# Altium PCB Control Levitador2.PcbDoc
Units mm, origin at the board's own origin, x right, y up, seen from the top; angles counter-clockwise.
Board outline 99.57 x 108.97 mm, 2 copper layers (Top Layer, Bottom Layer); 138 components, 76 nets, 369 pads, 201 vias.
Unrouted connection lines stored in the file: 3.
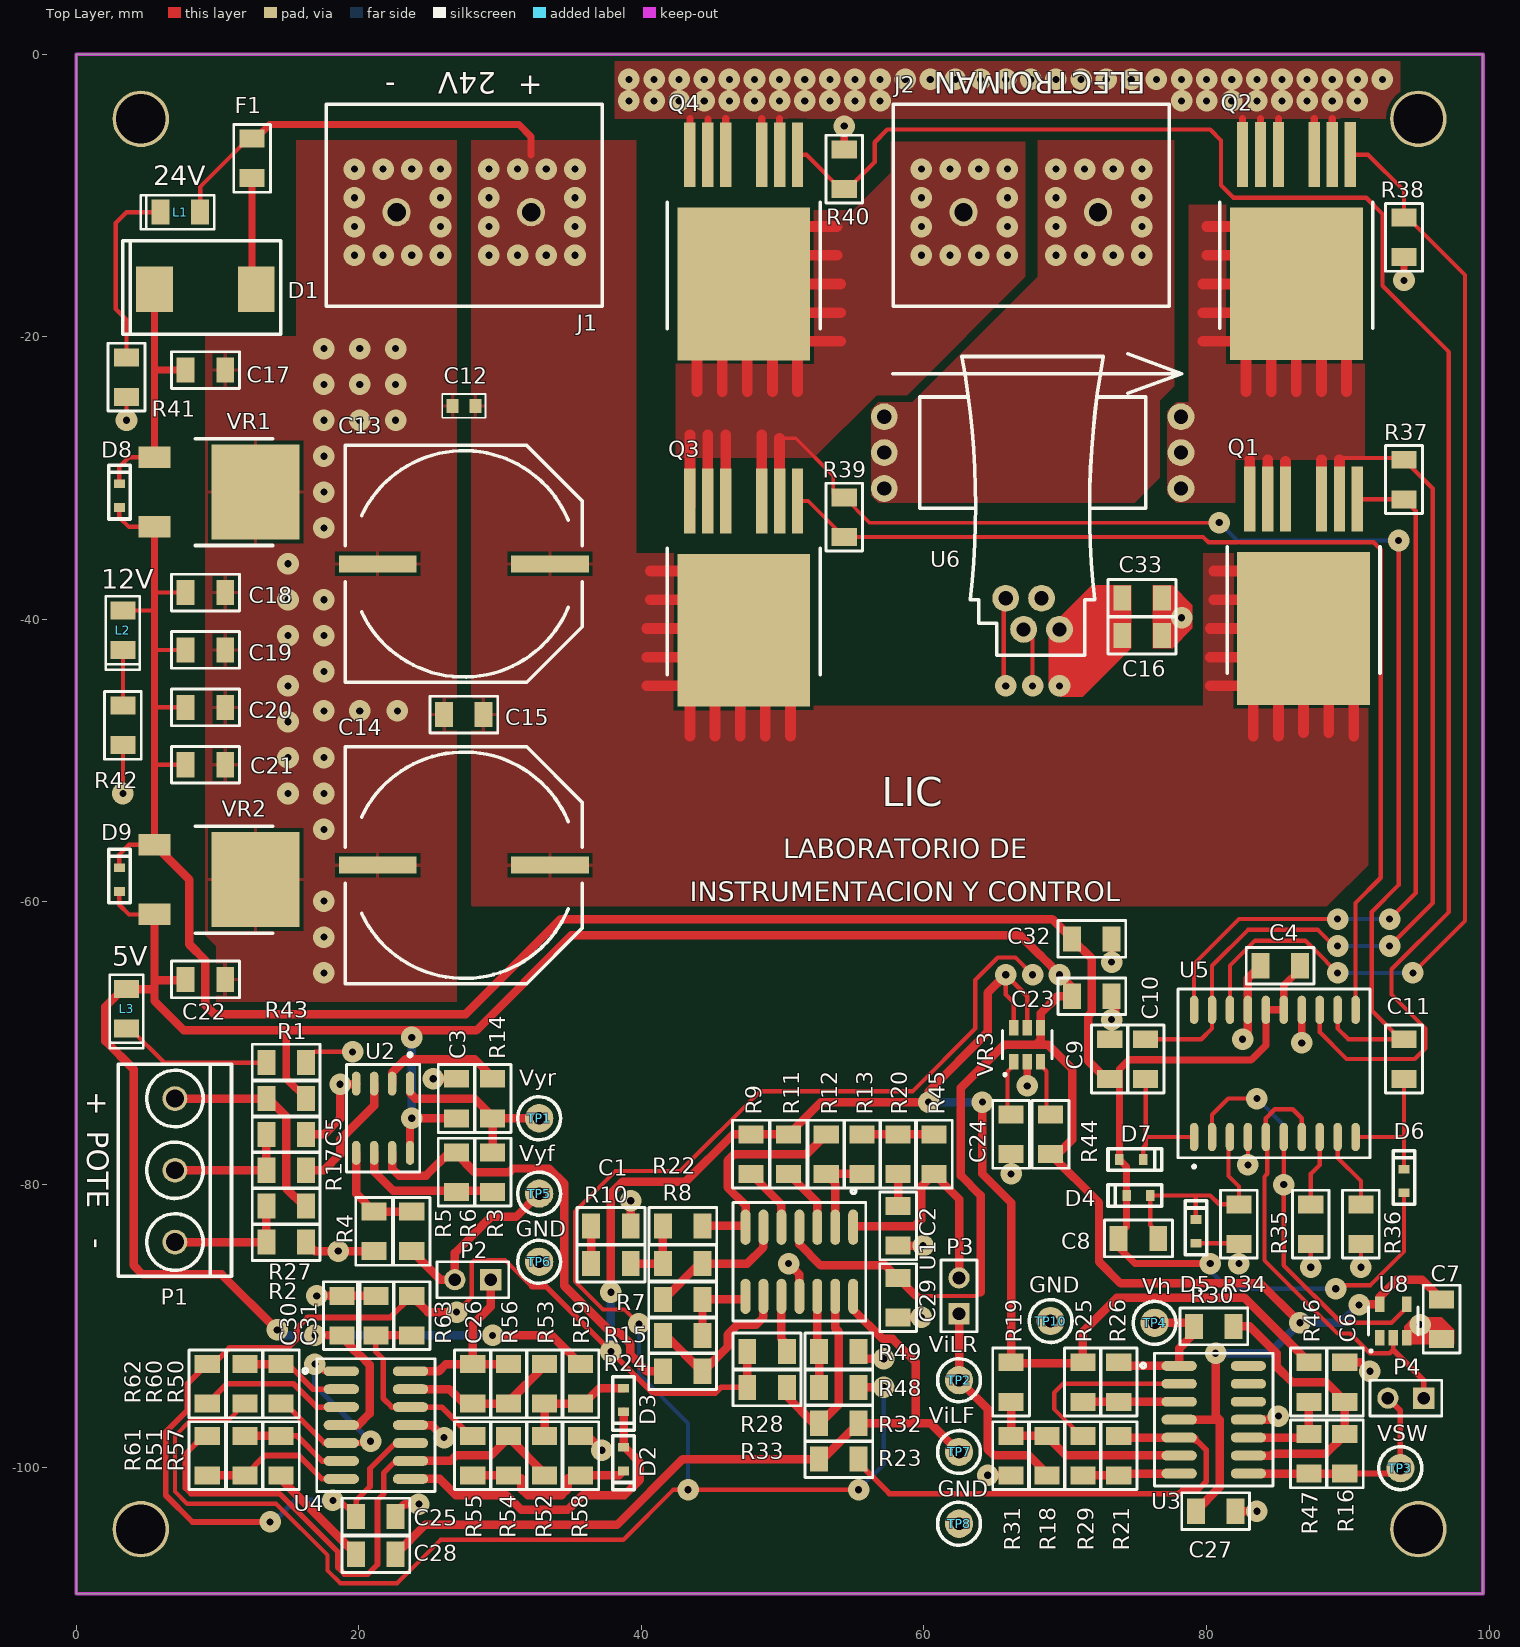
[diagram p0: Top Layer view]
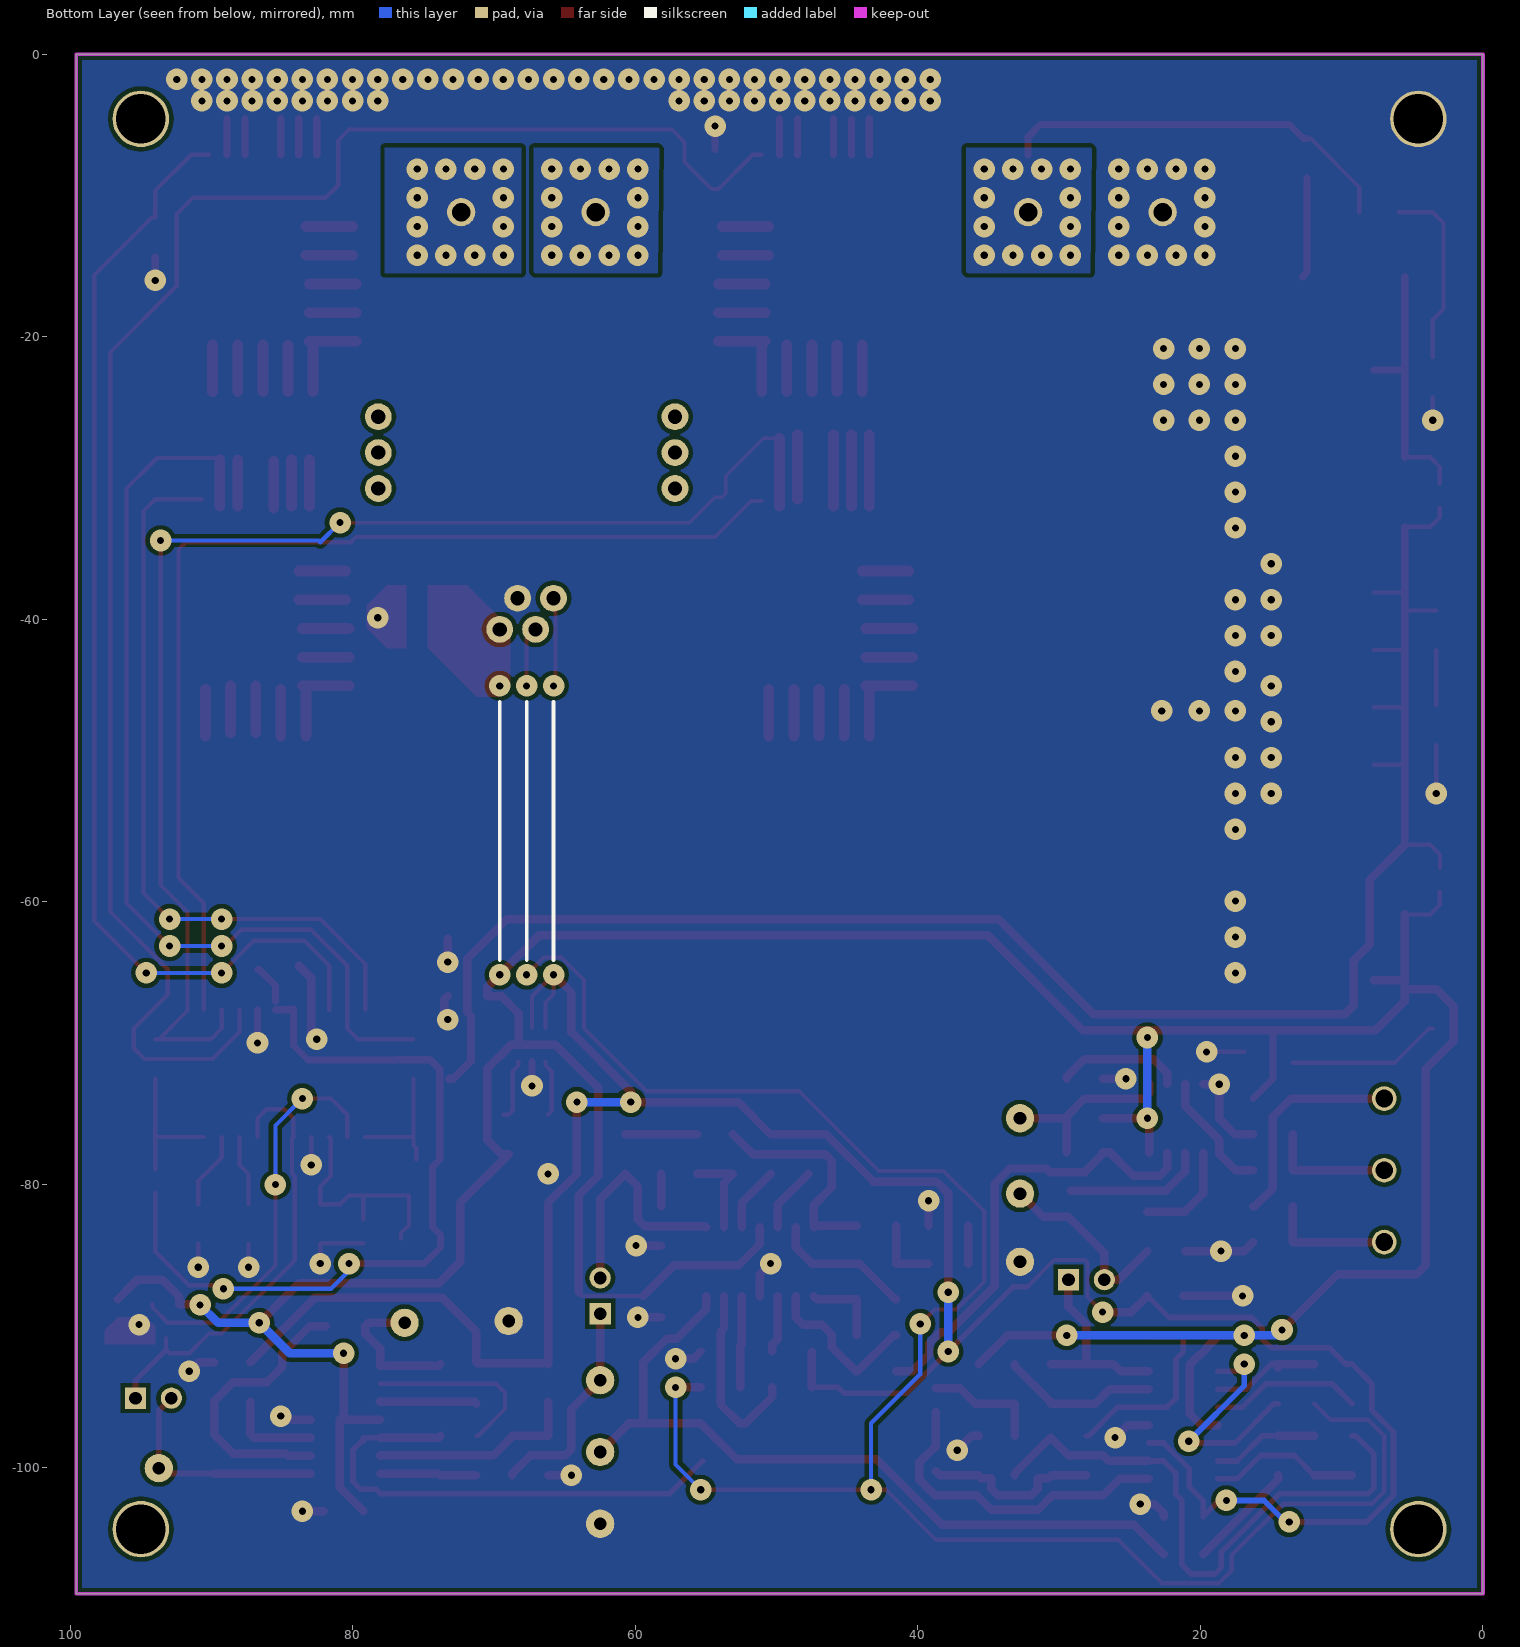
[diagram p1: Bottom Layer view, seen from below]
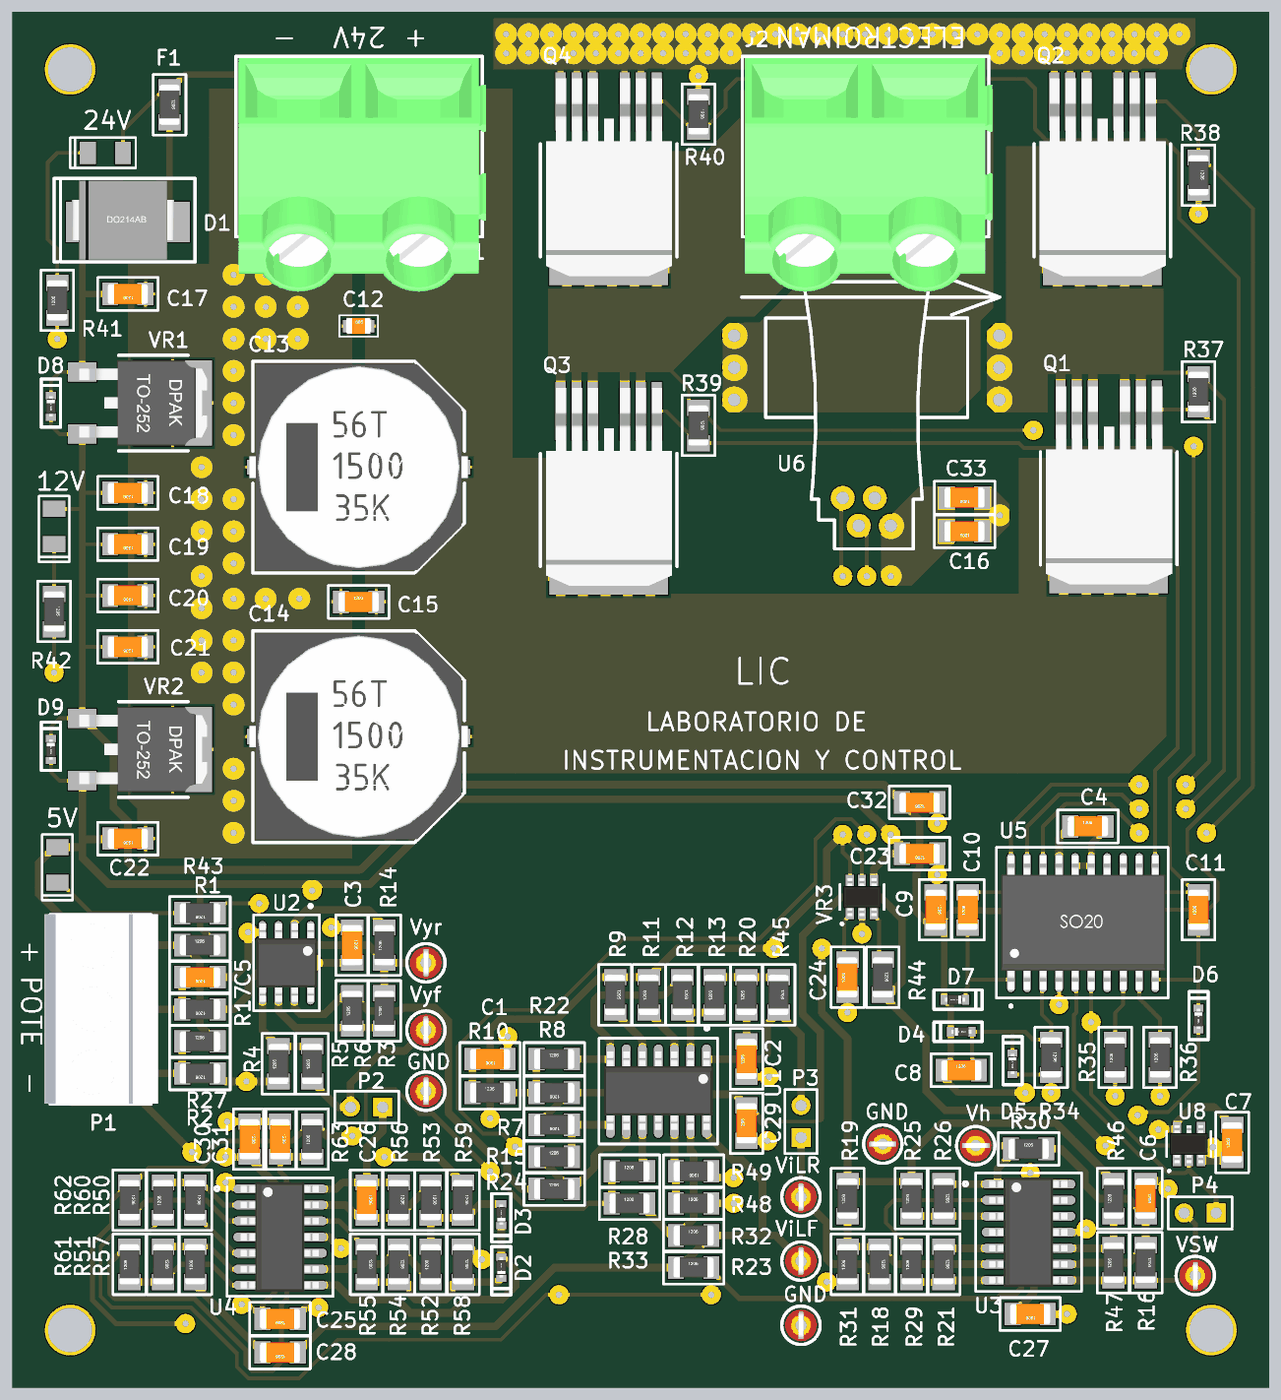
[diagram p2: 3D render of the assembled board from above, using the file's embedded part models]

## Layer stack, top to bottom
Top Solder: solder mask 0.0102, Solder Resist, Dk 3.5
Top Layer: signal copper 0.0356
Dielectric1: dielectric 0.32, FR-4, Dk 4.8
Bottom Layer: signal copper 0.0356
Bottom Solder: solder mask 0.0102, Solder Resist, Dk 3.5

## Board outline
0,-108.966 99.568,-108.966 99.568,0 0,0

## Design rules (kind name [scope] priority, off if disabled: settings)
Clearance [All] p1: gap=0.3 ignorepadtopadclearanceinfootprint=FALSE except(0: Arc-Hole Track-Hole SMDPad-Hole THPad-Hole Via-Hole Fill-Hole Poly-Hole Region-Hole Text-Hole)
MinimumSolderMaskSliver [All] p1: minsoldermaskwidth=0.203
PlaneConnect [All] p1: pad.planeconnectstyle=Relief pad.reliefexpansion=0.508 pad.reliefentries=4 pad.reliefconductorwidth=0.254 pad.reliefairgap=0.254 via.planeconnectstyle=Direct via.reliefexpansion=0.508 via.reliefentries=4 via.reliefconductorwidth=0.254 via.reliefairgap=0.254
PolygonConnect [All] p1: thpad.connectstyle=Direct thpad.reliefconductorwidth=0.254 thpad.reliefentries=4 thpad.polygonreliefangle="90 Angle" thpad.airgapwidth=0.254 smdpad.connectstyle=Relief smdpad.reliefconductorwidth=0.254 smdpad.reliefentries=4 smdpad.polygonreliefangle="90 Angle" smdpad.airgapwidth=0.254 via.connectstyle=Direct via.reliefconductorwidth=0.254 via.reliefentries=4 via.polygonreliefangle="90 Angle" via.airgapwidth=0.254
RoomDefinition "Control Levitador" [InComponentClass('Control Levitador')] p1: confinementstyle=ConfineOut formatcopy=TRUE lockcomponents=FALSE outline 100.711,-107.569 131.191,-107.569 131.191,-101.727 100.711,-101.727
RoutingVias [All] p1: holewidth=0.508 width=0.762 viastyle="Through Hole" minholewidth=0.508 minwidth=0.762 maxholewidth=0.711 maxwidth=1.6
SilkToSilkClearance [All] p1: silktosilkclearance=0.152
SilkToSolderMaskClearance [IsPad] p1: minsilkscreentomaskgap=0.203 clearancetoexposedcopper=TRUE
SolderMaskExpansion [All] p1: expansion=0.102
Width Width_1 [InNetClass('High Current')] p1: maxlimit=15.24 minlimit=10.16 preferedwidth=12.7 minimp=50.000000 maximp=50.000000 favimp=50.000000
Width [All] p2: maxlimit=1.27 minlimit=0.254 preferedwidth=0.254 minimp=50.000000 maximp=50.000000 favimp=50.000000
26 further rules are at their usual default settings.

## Components (designator, comment, footprint, x,y, rotation, side; value= is the part's Value field where it differs from the comment)
C1 "1u" C1206 37.846,-82.931 r180 top
C2 "470n" C1206 58.166,-82.931 r90 top
C3 "100nF" C1206 26.924,-73.914 r270 top
C4 "100nF" C1206 85.217,-64.516 r0 top
C5 "10uF" C1206 14.859,-76.454 r180 top
C6 "2.2n" C1206 89.789,-93.98 r270 top
C7 "100nF" C1206 96.647,-89.535 r90 top
C8 "10uF" C1206 75.184,-83.82 r0 top
C9 "1uF" C1206 73.152,-71.12 r270 top
C10 "10uF" C1206 75.692,-71.12 r90 top
C11 "10uF" C1206 93.98,-71.12 r90 top
C12 "22uF" C0805 27.432,-24.892 r0 top
C13 "Cap Pol1" "ALU CASE P" 27.432,-36.068 r0 top value=1000uF
C14 "Cap Pol1" "ALU CASE P" 27.432,-57.401 r0 top value=1000uF
C15 "220nF" C1206 27.432,-46.736 r0 top
C16 "100nF" C1206 75.438,-41.148 r180 top
C17 "1uF" C1206 9.144,-22.352 r180 top
C18 "22uF" C1206 9.144,-38.1 r180 top
C19 "22uF" C1206 9.144,-42.164 r180 top
C20 "22uF" C1206 9.144,-46.228 r180 top
C21 "220nF" C1206 9.144,-50.292 r180 top
C22 "47uF" C1206 9.144,-65.482 r180 top
C23 "100nF" C1206 71.882,-66.675 r180 top
C24 "100nF" C1206 66.167,-76.454 r90 top
C25 "100nF" C1206 21.209,-103.505 r180 top
C26 "1n" C1206 28.067,-94.107 r270 top
C27 "100nF" C1206 80.642,-103.124 r180 top
C28 "1u" C1206 21.209,-106.172 r180 top
C29 "100nF" C1206 58.166,-88.011 r90 top
C30 "100nF" C1206 18.796,-89.281 r270 top
C31 "1n" C1206 21.209,-89.281 r270 top
C32 "22uF" C1206 71.882,-62.611 r180 top
C33 "10uF" C1206 75.438,-38.481 r180 top
D1 "MRBS340" DO214AB 9.144,-16.637 r180 top
D2 "BAT54WX" SOD523 38.735,-99.441 r270 top
D3 "BAT54WX" SOD523 38.735,-95.25 r270 top
D4 "BAT54WX" SOD523 75.184,-80.772 r180 top
D5 "BAT54WX" SOD523 79.248,-83.312 r90 top
D6 "BAT54WX" SOD523 93.98,-79.756 r90 top
D7 "BAT54WX" SOD523 74.676,-78.232 r0 top
D8 "BAT54WX" SOD523 3.048,-31.242 r90 top
D9 "BAT54WX" SOD523 3.048,-58.42 r90 top
F1 "Fuse 1" R1206 12.446,-7.366 r270 top
J1 "Header 2" SMKDS5-2-9.5 27.432,-11.176 r180 top
J2 "Header 2" SMKDS5-2-9.5 67.564,-11.176 r180 top
L1 "LED1" "LED 1206 RED" 7.366,-11.176 r180 top
L2 "LED1" "LED 1206 RED" 3.302,-40.767 r270 top
L3 "LED1" "LED 1206 RED" 3.556,-67.564 r270 top
P1 "RPot" BOR3 6.985,-78.994 r270 top value=1k
P2 "Header 2" HDR1X2 29.337,-86.741 r180 top
P3 "Header 2" HDR1X2 62.484,-89.154 r90 top
P4 "Header 2" HDR1X2 95.377,-95.123 r180 top
Q1 "IPB160N04" TO263-7S 86.868,-40.646 r180 top
Q2 "IPB160N04" TO263-7S 86.36,-16.256 r180 top
Q3 "IPB160N04" TO263-7S 47.244,-40.773 r180 top
Q4 "IPB160N04" TO263-7S 47.244,-16.262 r180 top
R1 "1.15k" R1206 14.859,-73.914 r0 top
R2 "3.09k" R1206 14.859,-84.074 r180 top
R3 "2k" R1206 29.464,-79.121 r90 top
R4 "56.2k" R1206 21.082,-83.312 r90 top
R5 "2k" R1206 23.749,-83.312 r90 top
R6 "56.2k" R1206 26.924,-79.121 r90 top
R7 "140k" R1206 42.926,-88.138 r180 top
R8 "140k" R1206 42.926,-85.598 r180 top
R9 "68k" R1206 47.752,-77.851 r270 top
R10 "40.2" R1206 37.846,-85.598 r0 top
R11 "68k" R1206 50.419,-77.851 r90 top
R12 "140k" R1206 53.086,-77.851 r270 top
R13 "140k" R1206 55.626,-77.851 r90 top
R14 "2k" R1206 29.464,-73.914 r90 top
R15 "56.2k" R1206 42.926,-90.678 r0 top
R16 "10k" R1206 89.789,-99.06 r270 top
R17 "2k" R1206 14.859,-78.994 r180 top
R18 "8.25k" R1206 68.707,-99.187 r270 top
R19 "2.49k" R1206 66.167,-93.98 r90 top
R20 "143" R1206 58.166,-77.851 r90 top
R21 "8.25k" R1206 73.787,-99.187 r270 top
R22 "14k" R1206 42.929,-82.931 r0 top
R23 "8.25k" R1206 53.975,-99.441 r0 top
R24 "2k" R1206 42.926,-93.218 r0 top
R25 "510" R1206 71.247,-93.98 r90 top
R26 "100k" R1206 73.787,-93.98 r270 top
R27 "3.16k" R1206 14.859,-81.534 r0 top
R28 "2k" R1206 48.895,-91.821 r0 top
R29 "1k" R1206 71.247,-99.187 r90 top
R30 "15k" R1206 80.521,-90.043 r0 top
R31 "3.56k" R1206 66.167,-99.187 r90 top
R32 "3.56k" R1206 53.975,-96.901 r0 top
R33 "3.56k" R1206 48.895,-94.361 r0 top
R34 "10k" R1206 82.296,-82.804 r270 top
R35 "180k" R1206 87.376,-82.804 r90 top
R36 "180k" R1206 90.932,-82.804 r90 top
R37 "4k7" R1206 93.98,-30.099 r90 top
R38 "4k7" R1206 93.98,-12.954 r270 top
R39 "4k7" R1206 54.356,-32.766 r270 top
R40 "4k7" R1206 54.356,-8.128 r270 top
R41 "2.37K" R1206 3.556,-22.86 r90 top
R42 "1k" R1206 3.302,-47.498 r270 top
R43 "300" R1206 14.859,-71.374 r180 top
R44 "4k7" R1206 68.961,-76.454 r270 top
R45 "14k" R1206 60.706,-77.851 r270 top
R46 "2k" R1206 87.249,-93.98 r90 top
R47 "10k" R1206 87.249,-99.06 r90 top
R48 "3.56k" R1206 53.975,-94.361 r0 top
R49 "3.56k" R1206 53.975,-91.821 r180 top
R50 "665" R1206 14.478,-94.107 r270 top
R51 "20k" R1206 11.938,-99.187 r270 top
R52 "3.56k" R1206 33.147,-99.187 r90 top
R53 "100k" R1206 33.147,-94.107 r270 top
R54 "3.56k" R1206 30.607,-99.187 r270 top
R55 "100k" R1206 28.067,-99.187 r270 top
R56 "100k" R1206 30.607,-94.107 r270 top
R57 "31.6" R1206 14.478,-99.187 r90 top
R58 "1.8M" R1206 35.687,-99.187 r270 top
R59 "1.8M" R1206 35.687,-94.107 r270 top
R60 "10k" R1206 11.938,-94.107 r90 top
R61 "3.56k" R1206 9.271,-99.187 r90 top
R62 "698" R1206 9.271,-94.107 r270 top
R63 "100k" R1206 23.749,-89.281 r90 top
TP1 "Vyr" "TestPoint Keystone 5000 Silver-Red" 32.766,-75.311 r0 top
TP2 "ViLR" "TestPoint Keystone 5000 Silver-Red" 62.484,-93.853 r0 top
TP3 "VSW" "TestPoint Keystone 5000 Silver-Red" 93.726,-100.076 r0 top
TP4 "Vh" "TestPoint Keystone 5000 Silver-Red" 76.327,-89.789 r90 top
TP5 "Vyf" "TestPoint Keystone 5000 Silver-Red" 32.766,-80.645 r0 top
TP6 "GND" "TestPoint Keystone 5000 Silver-Red" 32.766,-85.471 r0 top
TP7 "ViLF" "TestPoint Keystone 5000 Silver-Red" 62.484,-98.933 r0 top
TP8 "GND" "TestPoint Keystone 5000 Silver-Red" 62.484,-104.013 r0 top
TP10 "GND" "TestPoint Keystone 5000 Silver-Red" 68.961,-89.662 r90 top
U1 "TLV2464" SOIC14 50.546,-85.471 r270 top
U2 "TLV2462" SOIC8 21.717,-75.311 r270 top
U3 "TLV2464" SOIC14 80.518,-97.282 r0 top
U4 "TLV2464" SOIC14 21.209,-97.663 r0 top
U5 "HIP4081A" SOIC20 84.836,-72.136 r90 top
U6 "HLSR32" HSLR-P 67.691,-28.194 r0 top
U8 "SN74LVC1G14DBVR" SOT23-5 93.218,-89.662 r90 top
VR1 "L78M12" TO252-AA 12.7,-30.988 r270 top
VR2 "L78M05" TO252-AA 12.7,-58.42 r270 top
VR3 "MAX6071" SOT23-6 67.31,-70.104 r90 top

## Footprints (in the part's own frame and the unit in brackets; to place one, negate y for a bottom-side part, rotate by r counter-clockwise, add the part's x,y. Pads: shape width x height; smd on the part's side, far side on the other; paste and mask are expansions set on the pad)
"ALU CASE P" [mm] "SMD Aluminum Electrolytic; Case P; 16mm x 17mm (LxW)"
  rect 5.5x1.2 smd: 1(6.1,0) 2(-6.1,0)
  silkscreen extent -8.38,-8.38 8.38,8.38, body extent -8.65,-8.15 8.65,8.15, height 17.25
BOR3 [mm] "Bornera con tornillos"
  round 1.75 hole 1.25: 1(-5.08,0) 2(0,0) 3(5.08,0)
  silkscreen extent -7.5,-4 7.5,4, body extent -7.53,-4.45 7.47,4.55, height 15.2
C0805 [mm] "Chip Capacitor, Body 2.0x1.3 mm"
  rect 0.85x1 smd: 1(-0.813,0) 2(0.813,0)
  silkscreen extent -1.52,-0.84 1.52,0.84, body extent -1,-0.62 1,0.64, height 0.78
C1206 [mm] "Chip Capacitor, Body 3.0x1.5mm"
  rect 1.27x1.778 smd: 1(-1.4,0) 2(1.4,0)
  silkscreen extent -2.4,-1.3 2.4,1.3, body extent -1.6,-0.8 1.6,0.8, height 1
DO214AB [mil] "Diode; DO-214AB; 2 leads; Boby 6.9 x 5.9 mm (LxW)"
  rect 102x126 smd: 1(-142,0) 2(142,0)
  silkscreen extent -210,-135 230,125, body extent -145,-129 175,119, height 103
HDR1X2 [mm] "Connector; Header; 2 Position"
  rect 1.5x1.5 hole 0.9: 1(0,0)
  round 1.5 hole 0.9: 2(2.54,0)
  silkscreen extent -1.27,-1.27 3.81,1.27
HSLR-P [mm]
  round 1.9 hole 1: 1(-1.905,-10.31) 2(-0.635,-12.51) 3(0.635,-10.31) 4(1.905,-12.51) 5(10.5,-2.54) 6(10.5,0) 7(10.5,2.54) 8(-10.5,2.54) 9(-10.5,0) 10(-10.5,-2.54)
  silkscreen extent -9.91,-14.35 10.54,6.98, body extent -4.95,-9.4 5.08,6.86, height 12
"LED 1206 RED" [mm] "Led SMD 1206"
  rect 1.27x1.778 smd: 1(-1.4,0) 2(1.4,0)
  silkscreen extent -2.41,-1.2 2.79,1.2, body extent -1.66,-0.78 1.75,0.81, height 0.5
R1206 [mm] "Chip Resistor, Body 3.0x1.5mm"
  rect 1.27x1.778 smd: 1(-1.4,0) 2(1.4,0)
  silkscreen extent -2.4,-1.3 2.4,1.3, body extent -1.6,-0.8 1.6,0.8, height 1
SMKDS5-2-9.5 [mm] "Phoenix Contact; Terminal block; 2way; 32A max; 9.52mm pitch; 135°"
  round 2 hole 1.3: 1(-4.76,0) 2(4.76,0)
  silkscreen extent -9.8,-7.65 9.73,6.65, body extent -10.08,-7.5 9.53,11, height 21.5
SOD523 [mil] "Diode; SOD523 / SC-79 / SCD-80; 2 Leads; Body 1.2 x 0.8 mm, (LxW)"
  rect 24x31 smd: 1(-33,0) 2(33,0)
  silkscreen extent -65,-30 85,30, body extent -31,-16 31,16, height 28
SOIC8 [mm] "SOIC, 8-Leads, 150mils; Body 4.9x3.9mm, Pitch 1.27mm, IPC High Density"
  oval 1.7x0.6 smd: 1(-2.45,1.905) 2(-2.45,0.635) 3(-2.45,-0.635) 4(-2.45,-1.905) 5(2.45,-1.905) 6(2.45,-0.635) 7(2.45,0.635) 8(2.45,1.905)
  silkscreen extent -4.62,-2.6 3.8,2.6, body extent -3.1,-2.39 3.1,2.44, height 1.7
SOIC14 [mm] "SOIC, 14-Leads, 150mils; Body 9.9x..mm, Pitch 1.27mm, IPC Low Density"
  oval 2.5x0.7 smd: 1(-2.45,4.445) 2(-2.45,3.175) 3(-2.45,1.905) 4(-2.45,0.635) 5(-2.45,-0.635) 6(-2.45,-1.905) 7(-2.45,-3.175) 8(2.45,-3.175) 9(2.45,-1.905) 10(2.45,-0.635) 11(2.45,0.635) 12(2.45,1.905) 13(2.45,3.175) 14(2.45,4.445)
  silkscreen extent -5.16,-4.06 4.19,5.33, body extent -3.12,-3.68 3.07,4.95, height 1.7
SOIC20 [mm] "SOIC, 20-Leads, Body xxxx7.5mm, Pitch 1.27mm, IPC High Density"
  oval 2x0.6 smd: 1(-4.5,5.715) 2(-4.5,4.445) 3(-4.5,3.175) 4(-4.5,1.905) 5(-4.5,0.635) 6(-4.5,-0.635) 7(-4.5,-1.905) 8(-4.5,-3.175) 9(-4.5,-4.445) 10(-4.5,-5.715) 11(4.5,-5.715) 12(4.5,-4.445) 13(4.5,-3.175) 14(4.5,-1.905) 15(4.5,-0.635) 16(4.5,0.635) 17(4.5,1.905) 18(4.5,3.175) 19(4.5,4.445) 20(4.5,5.715)
  silkscreen extent -6.68,-6.73 5.97,6.86, body extent -5.31,-6.5 5.31,6.5, height 2.66
SOT23-5 [mm]
  rect 1.1x0.65 smd: 1(-1.2,0.95) 2(-1.2,0) 3(-1.2,-0.95) 4(1.2,-0.95) 5(1.2,0.95)
  silkscreen extent -2.19,-1.75 1,1.75, body extent -1.5,-1.5 1.5,1.5, height 1.39
SOT23-6 [mm]
  rect 1.1x0.65 smd: 1(-1.2,0.95) 2(-1.2,0) 3(-1.2,-0.95) 4(1.2,-0.95) 5(1.2,0) 6(1.2,0.95)
  silkscreen extent -2.19,-1.75 1,1.75, body extent -1.5,-1.5 1.5,1.5, height 1.39
"TestPoint Keystone 5000 Silver-Red" [mm] "Thru hole test point"
  round 2 hole 0.9: 1(0,0)
  silkscreen extent -1.52,-1.52 1.51,1.52, body extent -1.27,-1.27 1.27,1.27, height 4.89
TO252-AA [mil]
  rect 60x89 smd: 1(-97,-282) 3(97,-282)
  rect 265x245 smd: 4(0,0)
  silkscreen extent -149,-169 149,48, body extent -133,-291 133,107, height 156
TO263-7S [mm]
  rect 0.8x4.6 smd: 1(-3.81,-9.15) 2(-2.54,-9.15) 3(-1.27,-9.15) 5(1.27,-9.15) 6(2.54,-9.15) 7(3.81,-9.15)
  rect 9.4x10.8 smd: 4(0,0)
  silkscreen extent -5.41,-5.79 5.41,3.15, body extent -5.03,-10.97 4.97,4.7, height 4.78
